# Altium PCB graviton.PcbDoc (part 6 of 15)
Units mm, origin at the board's own origin, x right, y up, seen from the top; angles counter-clockwise.
Board outline 200 x 200 mm, 10 copper layers (TOP, POLYGON1, S1, POLYGON2, POLYGON3, POLYGON4, POLYGON5, S2, POLYGON6, BOT), stack 1.751 mm thick; 1317 components, 712 nets, 5121 pads, 3994 vias.
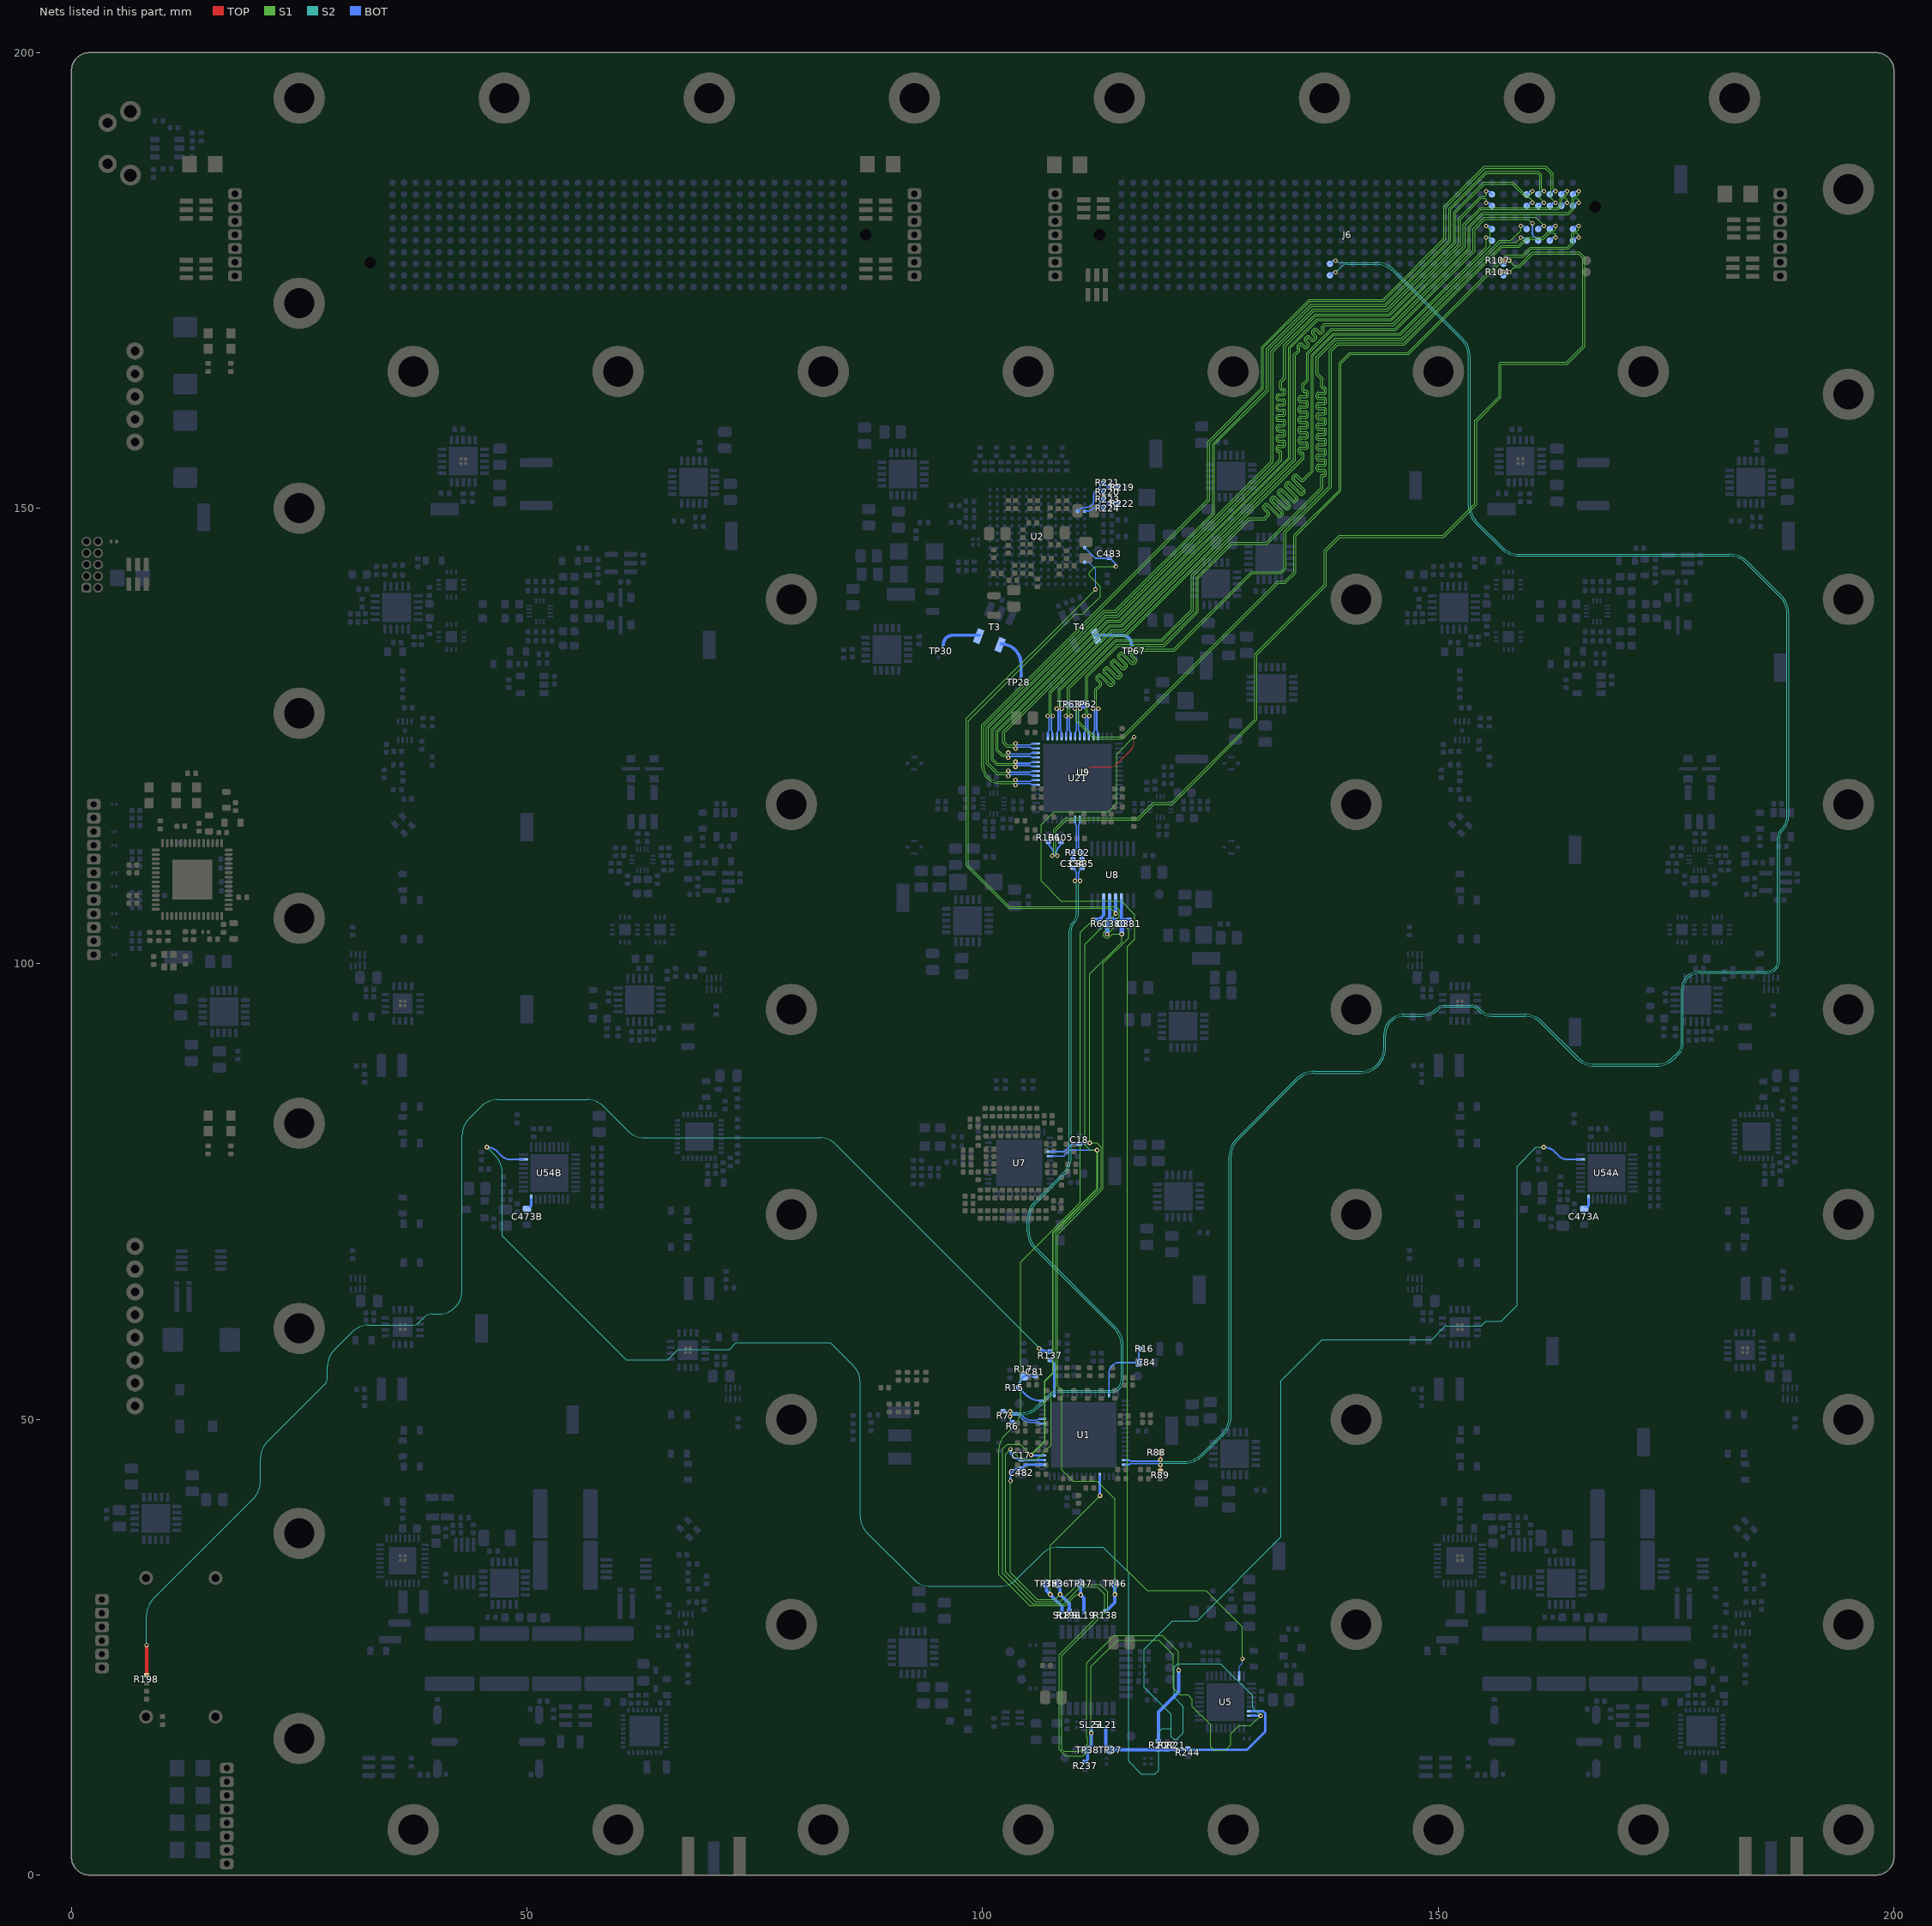
[diagram p14: the nets of this part, all layers, seen from the top]

## Via types
v1: diameter 0.75, hole 0.5, TOP to BOT, tented both sides, 2608 vias
v2: diameter 0.508, hole 0.254, TOP to BOT, tented both sides, 628 vias
v3: diameter 0.483, hole 0.254, TOP to BOT, tented both sides, 455 vias
v4: diameter 0.5, hole 0.3, TOP to BOT, tented both sides, 169 vias
v5: diameter 0.635, hole 0.254, TOP to BOT, tented both sides, 86 vias
v6: diameter 0.5, hole 0.254, TOP to BOT, tented both sides, 48 vias

## Nets (pads, with @x,y where several pads share a name; then routed paths per layer and width w, separated by ;. In a path a pad name is that pad's centre, name@x,y a point inside that pad or via, vN(x,y) a via of type N, cw(c..) or ccw(c..) an arc to the next point about the centre after c; other vN are vias at no path point) (continued)
ADC0-LVDS.ADC-D6_2_N: J6.25 U21.60 | length 101.3
  S1 w0.098: v3(112.114,128) 112.294,128.179 112.294,130.119 112.845,130.671 ccw(c112.801,130.716) 112.864,130.716 ccw(c112.801,130.716) 112.845,130.761 112.457,131.149 cw(c112.652,131.345) 112.457,131.54 112.616,131.699 cw(c112.812,131.504) 113.007,131.699 113.515,131.191 ; 113.515,131.191 114.024,130.682 ccw(c114.069,130.727) 114.113,130.682 ; 114.114,130.682 114.273,130.842 ccw(c114.229,130.887) 114.292,130.887 ccw(c114.229,130.887) 114.273,130.931 113.765,131.44 113.256,131.949 cw(c113.451,132.144) 113.256,132.339 113.416,132.499 cw(c113.611,132.304) 113.806,132.499 114.314,131.99 114.824,131.481 ccw(c114.868,131.526) 114.913,131.481 115.073,131.641 ccw(c115.028,131.686) 115.091,131.686 ccw(c115.028,131.686) 115.073,131.73 114.564,132.239 ; 114.564,132.239 114.055,132.748 cw(c114.25,132.943) 114.055,133.138 114.215,133.298 cw(c114.41,133.103) 114.605,133.298 115.114,132.789 ; 115.114,132.789 115.39,132.513 ccw(c115.435,132.557) 115.48,132.513 115.64,132.673 ccw(c115.595,132.717) 115.658,132.717 ccw(c115.595,132.717) 115.639,132.762 115.363,133.038 ; 115.363,133.038 114.854,133.547 cw(c115.049,133.742) 114.854,133.937 115.014,134.097 cw(c115.209,133.902) 115.404,134.097 115.913,133.589 ; 115.913,133.588 116.422,133.08 ccw(c116.466,133.124) 116.511,133.08 116.671,133.24 ccw(c116.626,133.284) 116.69,133.284 ccw(c116.626,133.284) 116.671,133.329 ; 116.671,133.329 116.282,133.718 cw(c116.477,133.913) 116.282,134.108 116.713,134.539 120.97,134.539 129.469,143.038 132.688,143.038 133.075,143.425 133.075,147.449 138.05,152.424 138.05,167.297 138.885,168.132 146.205,168.132 156.922,178.849 158.795,178.849 159.652,179.706 161.431,179.706 162.138,180.413 162.688,180.413 162.86,180.585 v3(162.86,180.978)
  BOT w0.159: v3(112.114,128) cw(c112.114,127.851) v3@112.22,127.956 ; U21.60@112.15,124.95 112.15,125.301 cw(c112.581,125.301) 112.276,125.606 112.276,127.9 v3@112.22,127.956 ; J6.25@162.225,180.635 162.568,180.978 v3(162.86,180.978)
ADC0-LVDS.ADC-D6_2_P: J6.26 U21.61 | length 100.9
  S1 w0.098: v3(112.686,128) 112.506,128.179 112.506,130.031 112.996,130.521 ccw(c112.801,130.716) 113.077,130.716 ccw(c112.801,130.716) 112.996,130.911 112.607,131.3 cw(c112.652,131.345) 112.607,131.389 112.767,131.549 cw(c112.812,131.504) 112.856,131.549 113.365,131.041 ; 113.365,131.04 113.874,130.532 ccw(c114.069,130.727) 114.264,130.532 114.424,130.691 ccw(c114.229,130.887) 114.505,130.887 ccw(c114.229,130.887) 114.424,131.082 113.915,131.59 113.406,132.099 ; 113.406,132.099 cw(c113.451,132.144) 113.406,132.188 113.566,132.348 cw(c113.611,132.304) 113.655,132.349 114.164,131.84 ; 114.164,131.839 114.673,131.331 ccw(c114.868,131.526) 115.063,131.331 115.223,131.491 ccw(c115.028,131.686) 115.304,131.686 ccw(c115.028,131.686) 115.223,131.881 114.714,132.39 ; 114.714,132.39 114.205,132.898 cw(c114.25,132.943) 114.205,132.988 114.365,133.148 cw(c114.41,133.103) 114.455,133.148 114.963,132.639 115.24,132.362 ccw(c115.435,132.557) 115.63,132.362 115.79,132.522 ; 115.254,133.947 ccw(c115.209,133.902) 115.165,133.947 115.005,133.787 ccw(c115.049,133.742) 115.004,133.698 115.513,133.189 115.79,132.912 cw(c115.595,132.717) 115.871,132.717 cw(c115.595,132.717) 115.79,132.522 ; 115.254,133.947 115.763,133.438 116.271,132.929 ccw(c116.466,133.124) 116.662,132.929 116.821,133.089 ccw(c116.626,133.284) 116.902,133.284 ccw(c116.626,133.284) 116.821,133.479 116.433,133.868 cw(c116.477,133.913) 116.433,133.958 116.801,134.326 121.058,134.326 129.557,142.825 132.776,142.825 133.288,143.337 133.288,147.361 138.263,152.336 138.263,167.209 138.973,167.92 146.293,167.92 157.01,178.636 158.883,178.636 159.74,179.493 161.519,179.493 162.226,180.2 162.7,180.2 162.86,180.04 v3(162.86,179.708)
  BOT w0.159: U21.61@112.65,124.95 112.65,125.301 ccw(c112.219,125.301) 112.524,125.606 112.524,127.9 112.58,127.956 cw(c112.686,127.851) v3(112.686,128) ; J6.26@162.225,179.365 162.568,179.708 v3(162.86,179.708)
ADC0-LVDS.ADC-D7_2_N: J6.45 U21.58 | length 100.6
  S1 w0.098: v3(111.114,127.2) 111.294,127.379 111.294,131.585 114.778,135.07 119.821,135.07 123.431,138.68 123.431,142.432 127.262,146.263 131.138,146.263 137.112,152.237 137.112,153.55 cw(c137.254,153.55) 137.254,153.691 137.456,153.691 ccw(c137.456,153.754) 137.519,153.754 137.519,153.98 ccw(c137.456,153.98) 137.456,154.044 136.862,154.044 cw(c136.862,154.32) 136.586,154.32 136.586,154.546 cw(c136.862,154.546) 136.862,154.822 137.456,154.822 ccw(c137.456,154.885) 137.519,154.885 137.519,155.111 ccw(c137.456,155.111) 137.456,155.174 136.862,155.174 cw(c136.862,155.45) 136.586,155.45 136.586,155.676 cw(c136.862,155.676) 136.862,155.952 137.456,155.952 ccw(c137.456,156.015) 137.519,156.015 137.519,156.241 ccw(c137.456,156.241) 137.456,156.304 136.862,156.304 cw(c136.862,156.58) 136.586,156.58 136.586,156.806 cw(c136.862,156.806) 136.862,157.082 137.456,157.082 ccw(c137.456,157.145) 137.519,157.145 137.519,157.371 ccw(c137.456,157.371) 137.456,157.435 136.862,157.435 cw(c136.862,157.71) 136.586,157.71 136.586,157.937 cw(c136.862,157.937) 136.862,158.212 137.456,158.212 ccw(c137.456,158.276) 137.519,158.276 137.519,158.502 ccw(c137.456,158.502) 137.456,158.565 136.862,158.565 cw(c136.862,158.841) 136.586,158.841 136.586,159.067 cw(c136.862,159.067) 136.862,159.343 137.456,159.343 ccw(c137.456,159.406) 137.519,159.406 137.519,159.632 ccw(c137.456,159.632) 137.456,159.695 136.862,159.695 cw(c136.862,159.971) 136.586,159.971 136.586,160.197 cw(c136.862,160.197) 136.862,160.473 137.456,160.473 ccw(c137.456,160.536) 137.519,160.536 137.519,160.762 ccw(c137.456,160.762) 137.456,160.825 136.862,160.825 cw(c136.862,161.101) 136.586,161.101 136.586,161.327 cw(c136.862,161.327) 136.862,161.603 137.456,161.603 ccw(c137.456,161.667) 137.519,161.667 137.519,161.893 ccw(c137.456,161.893) 137.456,161.956 136.862,161.956 cw(c136.862,162.232) 136.586,162.232 136.586,162.458 cw(c136.862,162.458) 136.862,162.734 137.456,162.734 ccw(c137.456,162.797) 137.519,162.797 137.519,163.023 ccw(c137.456,163.023) 137.456,163.086 137.388,163.086 cw(c137.388,163.362) 137.112,163.362 137.112,164.138 136.587,164.664 136.587,166.585 138.665,168.664 145.985,168.664 156.702,179.38 157.955,179.38 159.05,180.475 v3(159.05,180.978)
  BOT w0.159: v3(111.114,127.2) cw(c111.114,127.05) 111.22,127.156 111.276,127.1 111.276,125.606 ccw(c111.581,125.301) 111.15,125.301 U21.58@111.15,124.95 ; v3(159.05,180.978) 159.342,180.978 J6.45@159.685,180.635
ADC0-LVDS.ADC-D7_2_P: J6.46 U21.59 | length 99.6
  S1 w0.098: v3(111.686,127.2) 111.506,127.379 111.506,131.497 114.866,134.857 119.909,134.857 123.644,138.592 123.644,142.344 127.35,146.05 131.226,146.05 137.325,152.149 137.325,153.479 137.456,153.479 ccw(c137.456,153.754) 137.732,153.754 137.732,153.98 ccw(c137.456,153.98) 137.456,154.256 136.862,154.256 cw(c136.862,154.32) 136.799,154.32 136.799,154.546 cw(c136.862,154.546) 136.862,154.609 137.456,154.609 ccw(c137.456,154.885) 137.732,154.885 137.732,155.111 ccw(c137.456,155.111) 137.456,155.387 136.862,155.387 cw(c136.862,155.45) 136.799,155.45 136.799,155.676 cw(c136.862,155.676) 136.862,155.739 137.456,155.739 ccw(c137.456,156.015) 137.732,156.015 137.732,156.241 ccw(c137.456,156.241) 137.456,156.517 136.862,156.517 cw(c136.862,156.58) 136.799,156.58 136.799,156.806 cw(c136.862,156.806) 136.862,156.869 137.456,156.869 ccw(c137.456,157.145) 137.732,157.145 137.732,157.371 ccw(c137.456,157.371) 137.456,157.647 136.862,157.647 cw(c136.862,157.71) 136.799,157.71 136.799,157.937 cw(c136.862,157.937) 136.862,158 137.456,158 ccw(c137.456,158.276) 137.732,158.276 137.732,158.502 ccw(c137.456,158.502) 137.456,158.778 136.862,158.778 cw(c136.862,158.841) 136.799,158.841 136.799,159.067 cw(c136.862,159.067) 136.862,159.13 137.456,159.13 ccw(c137.456,159.406) 137.732,159.406 137.732,159.632 ccw(c137.456,159.632) 137.456,159.908 136.862,159.908 cw(c136.862,159.971) 136.799,159.971 136.799,160.197 cw(c136.862,160.197) 136.862,160.26 137.456,160.26 ccw(c137.456,160.536) 137.732,160.536 137.732,160.762 ccw(c137.456,160.762) 137.456,161.038 136.862,161.038 cw(c136.862,161.101) 136.799,161.101 136.799,161.327 cw(c136.862,161.327) 136.862,161.391 137.456,161.391 ccw(c137.456,161.667) 137.732,161.667 137.732,161.893 ccw(c137.456,161.893) 137.456,162.168 136.862,162.168 cw(c136.862,162.232) 136.799,162.232 136.799,162.458 cw(c136.862,162.458) 136.862,162.521 137.456,162.521 ccw(c137.456,162.797) 137.732,162.797 137.732,163.023 ccw(c137.456,163.023) 137.456,163.299 137.388,163.299 cw(c137.388,163.362) 137.325,163.362 137.325,164.226 136.799,164.752 136.799,166.497 138.753,168.451 146.073,168.451 156.79,179.168 158.568,179.168 159.05,179.65 v3(159.05,179.708)
  BOT w0.159: U21.59@111.65,124.95 111.65,125.301 ccw(c111.219,125.301) 111.524,125.606 111.524,127.1 111.58,127.156 cw(c111.686,127.05) v3(111.686,127.2) ; v3(159.05,179.708) 159.342,179.708 J6.46@159.685,179.365
ADC0-LVDS.ADC-D8_2_N: J6.22 U21.39 | length 111.3
  S1 w0.098: v3(103.6,119.614) ccw(c103.167,119.181) 103.167,119.794 101.85,119.794 cw(c101.85,121.756) 99.887,121.756 99.887,126.188 124.687,150.988 124.687,157.288 130.6,163.201 130.6,167.701 135.812,172.913 143.913,172.913 150.613,179.613 150.613,183.09 155.036,187.513 161.788,187.513 162.588,186.713 162.588,185.06 v3(162.86,184.788)
  BOT w0.159: v3(103.6,119.614) cw(c103.75,119.614) 103.644,119.72 103.7,119.776 105.194,119.776 ccw(c105.499,120.081) 105.499,119.65 U21.39@105.85,119.65 ; J6.22@162.225,184.445 162.568,184.788 v3(162.86,184.788)
ADC0-LVDS.ADC-D8_2_P: J6.23 U21.40 | length 111.6
  S1 w0.098: v3(103.6,120.186) cw(c103.167,120.619) 103.167,120.006 101.85,120.006 cw(c101.85,121.756) 100.1,121.756 100.1,126.1 124.9,150.9 124.9,157.2 130.813,163.113 130.813,167.613 135.9,172.7 144.001,172.7 150.826,179.525 150.826,183.002 155.124,187.3 161.7,187.3 162.375,186.625 162.375,184.003 v3(162.86,183.518)
  BOT w0.159: v3(103.6,120.186) ccw(c103.75,120.186) 103.644,120.08 103.7,120.024 105.194,120.024 cw(c105.499,119.719) 105.499,120.15 U21.40@105.85,120.15 ; J6.23@162.225,183.175 162.568,183.518 v3(162.86,183.518)
ADC0-LVDS.ADC-D9_2_N: J6.32 U21.41 | length 108.3
  S1 w0.098: v3(102.8,120.614) 102.621,120.794 101.581,120.794 100.418,121.956 100.418,125.968 113.238,138.788 114.529,138.788 125.218,149.477 125.218,157.068 131.131,162.981 131.131,167.481 136.032,172.382 144.133,172.382 151.144,179.393 151.144,182.87 155.237,186.963 160.963,186.963 161.338,186.588 161.338,185.04 v3(161.59,184.788)
  BOT w0.159: v3(102.8,120.614) cw(c102.95,120.614) 102.844,120.72 102.9,120.776 105.194,120.776 ccw(c105.499,121.081) 105.499,120.65 U21.41@105.85,120.65 ; J6.32@160.955,184.445 161.298,184.788 v3(161.59,184.788)
ADC0-LVDS.ADC-D9_2_P: J6.33 U21.42 | length 108.6
  S1 w0.098: v3(102.8,121.186) 102.621,121.006 101.669,121.006 100.631,122.044 100.631,125.88 113.326,138.575 114.617,138.575 125.431,149.389 125.431,156.98 131.344,162.893 131.344,167.393 136.12,172.169 144.221,172.169 151.357,179.305 151.357,182.782 155.325,186.75 160.875,186.75 161.125,186.5 161.125,183.983 v3(161.59,183.518)
  BOT w0.159: v3(102.8,121.186) ccw(c102.95,121.186) 102.844,121.08 102.9,121.024 105.194,121.024 cw(c105.499,120.719) 105.499,121.15 U21.42@105.85,121.15 ; J6.33@160.955,183.175 161.298,183.518 v3(161.59,183.518)
ADC0-LVDS.ADC-D10_2_N: J6.42 U21.43 | length 103.7
  S1 w0.098: v3(103.6,121.614) 103.421,121.794 101.531,121.794 100.95,122.375 100.95,125.748 113.458,138.257 114.749,138.257 131.662,155.17 131.662,167.261 136.252,171.85 144.353,171.85 151.675,179.173 151.675,182.501 154.962,185.788 158.188,185.788 159.676,184.3 159.975,184.3 160.32,184.645 v3(160.32,184.788)
  BOT w0.159: v3(103.6,121.614) cw(c103.75,121.614) v3@103.644,121.72 ; v3@103.644,121.72 103.7,121.776 105.194,121.776 ccw(c105.499,122.081) 105.499,121.65 U21.43@105.85,121.65 ; J6.42@159.685,184.445 160.028,184.788 v3(160.32,184.788)
ADC0-LVDS.ADC-D10_2_P: J6.43 U21.44 | length 103
  S1 w0.098: v3(103.6,122.186) 103.421,122.006 101.619,122.006 101.162,122.463 101.162,125.66 113.546,138.044 114.837,138.044 131.875,155.082 131.875,167.173 136.34,171.638 144.441,171.638 151.888,179.085 151.888,182.413 155.05,185.575 158.1,185.575 159.588,184.087 159.975,184.087 160.32,183.742 v3(160.32,183.518)
  BOT w0.159: v3(103.6,122.186) ccw(c103.75,122.186) 103.644,122.08 103.7,122.024 105.194,122.024 cw(c105.499,121.719) 105.499,122.15 U21.44@105.85,122.15 ; J6.43@159.685,183.175 160.028,183.518 v3(160.32,183.518)
ADC0-LVDS.ADC-D11_2_N: J6.72 U21.45 | length 103.1
  S1 w0.098: v3(102.8,122.614) 102.621,122.794 102.112,122.794 101.481,123.425 101.481,125.528 113.678,137.725 114.969,137.725 132.6,155.356 132.6,156.063 ccw(c132.537,156.063) 132.537,156.126 132.469,156.126 cw(c132.469,156.402) 132.193,156.402 132.193,156.628 cw(c132.469,156.628) 132.469,156.904 132.961,156.904 ccw(c132.961,156.967) 133.024,156.967 133.024,157.193 ccw(c132.961,157.193) 132.961,157.257 132.469,157.257 cw(c132.469,157.532) 132.193,157.532 132.193,157.758 cw(c132.469,157.758) 132.469,158.034 132.961,158.034 ccw(c132.961,158.098) 133.024,158.098 133.024,158.324 ccw(c132.961,158.324) 132.961,158.387 132.469,158.387 cw(c132.469,158.663) 132.193,158.663 132.193,158.889 cw(c132.469,158.889) 132.469,159.165 132.961,159.165 ccw(c132.961,159.228) 133.024,159.228 133.024,159.454 ccw(c132.961,159.454) 132.961,159.517 132.469,159.517 cw(c132.469,159.793) 132.193,159.793 132.193,160.019 cw(c132.469,160.019) 132.469,160.295 132.961,160.295 ccw(c132.961,160.358) 133.024,160.358 133.024,160.584 ccw(c132.961,160.584) 132.961,160.647 132.469,160.647 cw(c132.469,160.923) 132.193,160.923 132.193,161.149 cw(c132.469,161.149) 132.469,161.425 132.961,161.425 ccw(c132.961,161.488) 133.024,161.488 133.024,161.715 ccw(c132.961,161.715) 132.961,161.778 132.469,161.778 cw(c132.469,162.054) 132.193,162.054 132.193,162.28 cw(c132.469,162.28) 132.469,162.556 132.961,162.556 ccw(c132.961,162.619) 133.024,162.619 133.024,162.845 ccw(c132.961,162.845) 132.961,162.908 132.876,162.908 cw(c132.876,163.184) 132.6,163.184 132.6,163.914 133.024,164.338 133.024,167.872 136.472,171.319 144.573,171.319 152.207,178.953 152.207,181.807 154.612,184.213 155.063,184.213 155.24,184.39 v3(155.24,184.788)
  BOT w0.159: v3(102.8,122.614) cw(c102.95,122.614) 102.844,122.72 102.9,122.776 105.194,122.776 ccw(c105.499,123.081) 105.499,122.65 U21.45@105.85,122.65 ; v3(155.24,184.788) 155.532,184.788 J6.72@155.875,184.445
ADC0-LVDS.ADC-D11_2_P: J6.73 U21.46 | length 102.3
  S1 w0.098: v3(102.8,123.186) 102.621,123.006 102.2,123.006 101.693,123.513 101.693,125.44 113.766,137.513 115.057,137.513 132.813,155.268 132.813,156.063 ccw(c132.537,156.063) 132.537,156.339 132.469,156.339 cw(c132.469,156.402) 132.406,156.402 132.406,156.628 cw(c132.469,156.628) 132.469,156.691 132.961,156.691 ccw(c132.961,156.967) 133.237,156.967 133.237,157.193 ccw(c132.961,157.193) 132.961,157.469 132.469,157.469 cw(c132.469,157.532) 132.406,157.532 132.406,157.758 cw(c132.469,157.758) 132.469,157.822 132.961,157.822 ccw(c132.961,158.098) 133.237,158.098 133.237,158.324 ccw(c132.961,158.324) 132.961,158.6 132.469,158.6 cw(c132.469,158.663) 132.406,158.663 132.406,158.889 cw(c132.469,158.889) 132.469,158.952 132.961,158.952 ccw(c132.961,159.228) 133.237,159.228 133.237,159.454 ccw(c132.961,159.454) 132.961,159.73 132.469,159.73 cw(c132.469,159.793) 132.406,159.793 132.406,160.019 cw(c132.469,160.019) 132.469,160.082 132.961,160.082 ccw(c132.961,160.358) 133.237,160.358 133.237,160.584 ccw(c132.961,160.584) 132.961,160.86 132.469,160.86 cw(c132.469,160.923) 132.406,160.923 132.406,161.149 cw(c132.469,161.149) 132.469,161.213 132.961,161.213 ccw(c132.961,161.488) 133.237,161.488 133.237,161.715 ccw(c132.961,161.715) 132.961,161.99 132.469,161.99 cw(c132.469,162.054) 132.406,162.054 132.406,162.28 cw(c132.469,162.28) 132.469,162.343 132.961,162.343 ccw(c132.961,162.619) 133.237,162.619 133.237,162.845 ccw(c132.961,162.845) 132.961,163.121 132.876,163.121 cw(c132.876,163.184) 132.813,163.184 132.813,163.826 133.237,164.25 133.237,167.783 136.56,171.107 144.661,171.107 152.419,178.865 152.419,181.719 154.7,184 155.1,184 155.24,183.86 v3(155.24,183.518)
  BOT w0.159: v3(102.8,123.186) ccw(c102.95,123.186) v3@102.844,123.08 ; v3@102.844,123.08 102.9,123.024 105.194,123.024 cw(c105.499,122.719) 105.499,123.15 U21.46@105.85,123.15 ; v3(155.24,183.518) 155.532,183.518 J6.73@155.875,183.175
ADC0-LVDS.ADC-D12_2_N: J6.12 U21.47 | length 101.6
  S1 w0.098: v3(103.6,123.614) 103.421,123.794 102.631,123.794 102.187,124.237 102.187,125.483 113.898,137.194 115.189,137.194 133.555,155.561 133.555,167.652 136.692,170.788 144.793,170.788 152.738,178.733 152.738,181.116 154.597,182.975 163.075,182.975 163.35,183.25 163.35,183.951 163.662,184.263 163.9,184.263 164.13,184.493 v3(164.13,184.788)
  BOT w0.159: v3(103.6,123.614) cw(c103.75,123.614) 103.644,123.72 103.7,123.776 105.194,123.776 ccw(c105.499,124.081) 105.499,123.65 U21.47@105.85,123.65 ; J6.12@163.495,184.445 163.838,184.788 v3(164.13,184.788)
ADC0-LVDS.ADC-D12_2_P: J6.13 U21.48 | length 100.9
  S1 w0.098: v3(103.6,124.186) 103.421,124.006 102.719,124.006 102.4,124.325 102.4,125.395 113.986,136.982 115.277,136.982 133.768,155.472 133.768,167.563 136.78,170.575 144.881,170.575 152.95,178.645 152.95,181.028 154.685,182.762 163.163,182.762 163.563,183.162 163.563,183.863 163.75,184.05 163.9,184.05 164.13,183.82 v3(164.13,183.518)
  BOT w0.159: v3(103.6,124.186) ccw(c103.75,124.186) 103.644,124.08 103.7,124.024 105.194,124.024 cw(c105.499,123.719) 105.499,124.15 U21.48@105.85,124.15 ; J6.13@163.495,183.175 163.838,183.518 v3(164.13,183.518)
ADC0-LVDS.ADC-D13_2_N: J6.2 U21.50 | length 99.3
  S1 w0.098: v3(107.114,127.2) 107.294,127.379 107.294,129.839 114.118,136.663 115.409,136.663 134.087,155.341 134.087,166.862 134.582,167.358 ccw(c134.537,167.403) 134.601,167.403 ccw(c134.537,167.403) 134.582,167.447 134.537,167.492 cw(c134.732,167.687) 134.537,167.882 134.697,168.042 cw(c134.892,167.847) 135.087,168.042 135.252,167.878 135.394,167.735 ccw(c135.439,167.78) 135.483,167.735 135.644,167.896 ccw(c135.599,167.94) 135.662,167.94 ccw(c135.599,167.94) 135.644,167.984 135.501,168.127 ; 135.501,168.127 135.337,168.291 cw(c135.532,168.487) 135.337,168.682 135.496,168.841 cw(c135.691,168.646) 135.887,168.841 136.193,168.535 ccw(c136.238,168.579) 136.282,168.534 ; 136.283,168.535 136.443,168.695 ccw(c136.398,168.739) 136.461,168.739 ccw(c136.398,168.739) 136.443,168.784 136.301,168.926 136.136,169.091 cw(c136.331,169.286) 136.136,169.481 136.296,169.641 cw(c136.491,169.446) 136.686,169.641 136.851,169.476 136.993,169.334 ccw(c137.037,169.379) 137.082,169.334 137.242,169.494 ccw(c137.197,169.538) 137.26,169.538 ccw(c137.197,169.538) 137.242,169.583 ; 137.22,169.605 cw(c137.415,169.8) 137.22,169.995 137.481,170.257 145.013,170.257 153.269,178.513 153.269,180.896 154.817,182.444 164.225,182.444 164.65,182.869 164.65,184.001 164.887,184.238 165.175,184.238 165.4,184.463 v3(165.4,184.788)